# Altium PCB laser_board.PcbDoc (part 1 of 2) (continued)
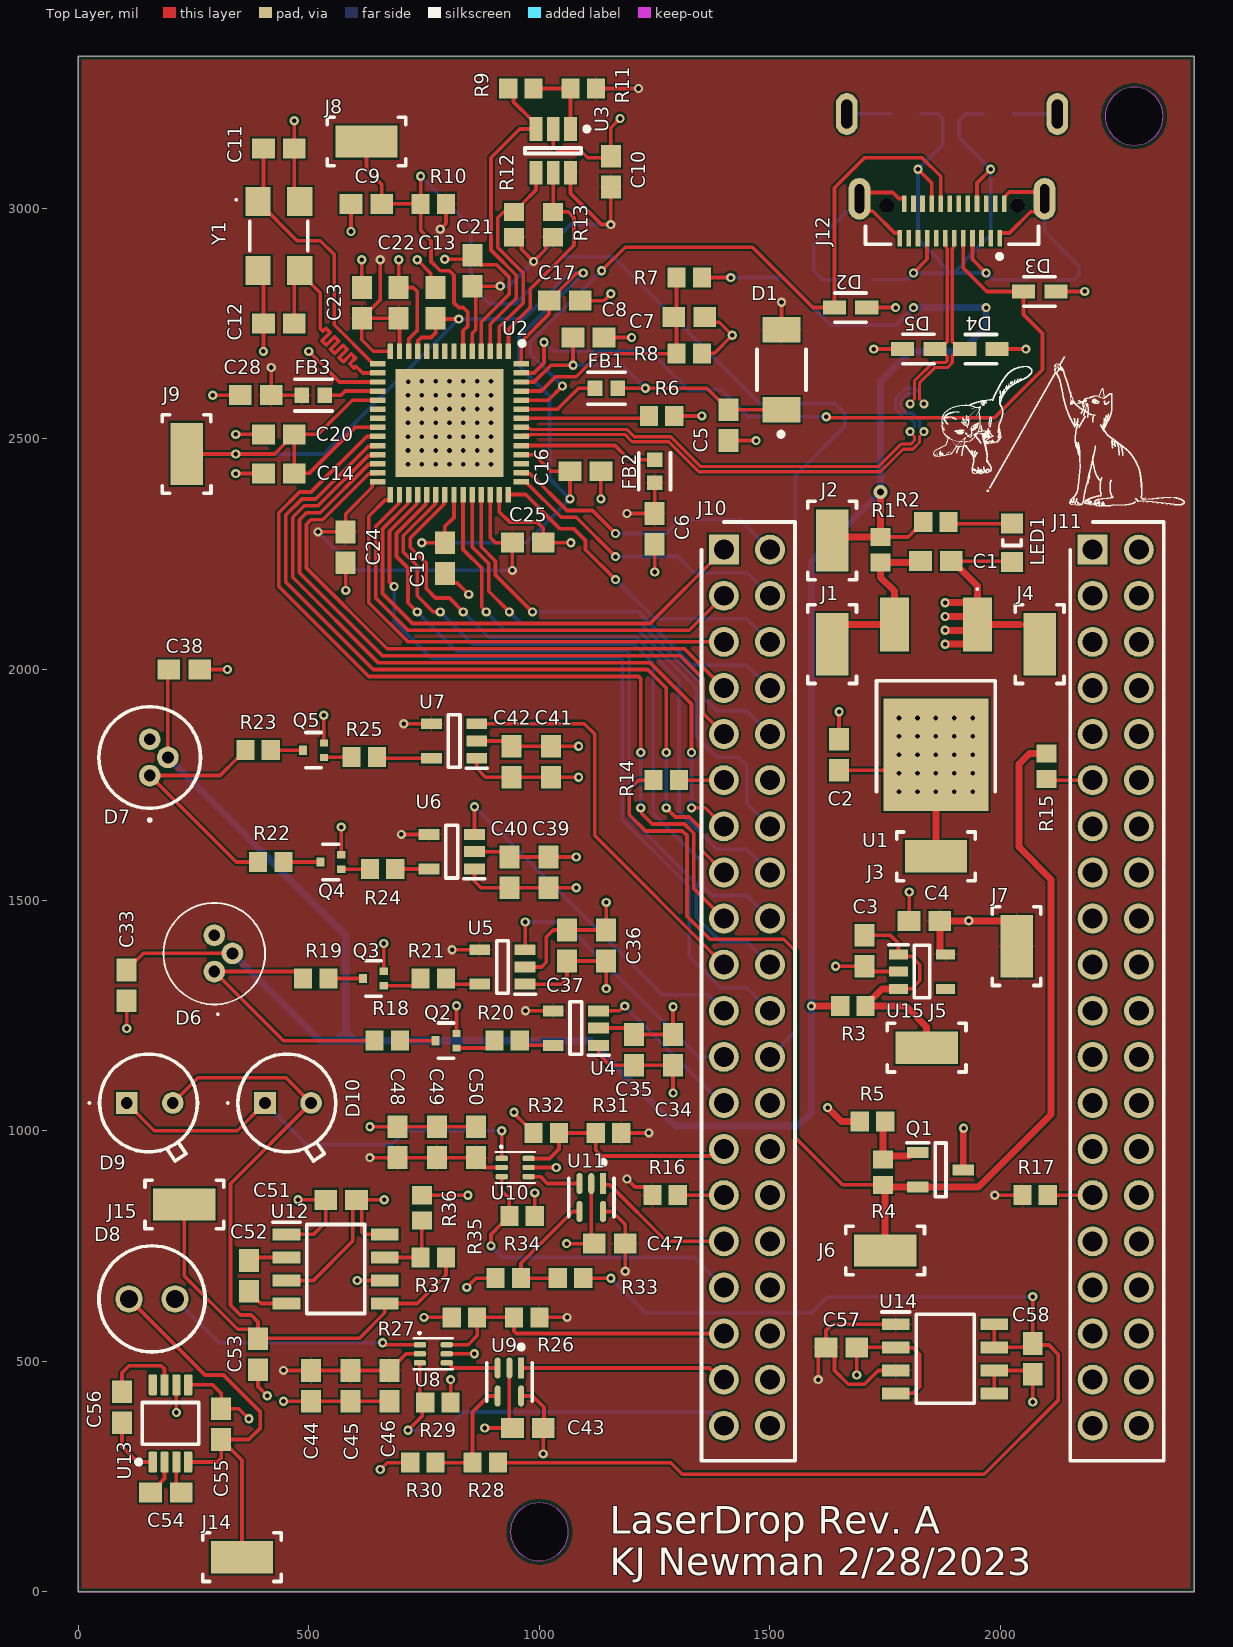
[diagram p0: Top Layer view]
## Footprints (in the part's own frame and the unit in brackets; to place one, negate y for a bottom-side part, rotate by r counter-clockwise, add the part's x,y. Pads: shape width x height; smd on the part's side, far side on the other; paste and mask are expansions set on the pad)
0805_A [mm] "Chip LED, 2-Leads, Body 2.0x1.3mm, IPC Medium Density"
  rect 1.1x1.2 smd: 1(-1.05,0) 2(1.05,0)
  silkscreen extent -0.15,-0.5 0.15,0.5, body extent -1,-0.62 1,0.63, height 0.68
830059522 [mm]
  rect 1.6x1.4 smd: 1(-1.9,-1.15) 2(1.9,-1.15) 3(1.9,1.15) 4(-1.9,1.15)
  silkscreen extent -2.05,-2.4 0.8,1.6, body extent -2.56,-1.71 2.56,1.71, height 1.1
CAPC1608X90X35ML15T15 [mm] "Chip Capacitor, 2-Leads, Body 1.60x0.81mm, IPC Low Density"
  rect 1.25x1.1 smd: 1(-0.85,0) 2(0.85,0)
  body extent -0.88,-0.48 0.87,0.48, height 0.9
DGK0008A_L [mm] "TSOP, 8-Leads, Body 3.1x3.1mm, Pitch 0.65mm, IPC High Density"
  rrect22% 1.15x0.45 smd: 1(-2.125,0.975) 2(-2.125,0.325) 3(-2.125,-0.325) 4(-2.125,-0.975) 5(2.125,-0.975) 6(2.125,-0.325) 7(2.125,0.325) 8(2.125,0.975)
  silkscreen extent -2.25,-1.55 1.15,1.87, body extent -2.45,-1.5 2.45,1.5, height 0.94
FP-5015-MFG [mm]
  rect 3.43x1.78 smd paste+0 mask+0: 1(0,0)
  silkscreen extent -2.16,-1.34 2.17,1.34
FP-2388749-1-MFG [mm]
  rrect100% 1.2x2.3 hole 1.6 slot 0.5 at 0 deg paste-1000 mask+0: 1(-5.1,2.645) 2(5.1,2.645)
  rrect100% 1.2x2.3 hole 1.6 slot 0.6 at 0 deg paste-1000 mask+0: 3(-5.8,-2.025) 4(5.8,-2.025)
  rect 0.254x0.9 smd paste+0 mask+0: A1(-2.625,4.825) A2(-2.125,4.825) A3(-1.625,4.825) A4(-1.125,4.825) A5(-0.625,4.825) A6(-0.125,4.825) A7(0.375,4.825) A8(0.875,4.825) A9(1.375,4.825) A10(1.875,4.825) A11(2.375,4.825) A12(2.875,4.825) B1(2.625,2.925) B2(2.125,2.925) B3(1.625,2.925) B4(1.125,2.925) B5(0.625,2.925) B6(0.125,2.925) B7(-0.375,2.925) B8(-0.875,2.925) B9(-1.375,2.925) B10(-1.875,2.925) B11(-2.375,2.925) B12(-2.875,2.925)
  round 0.81 hole 0.81 unplated paste-1000 mask+0: ""(-3.6,3.025)
  rrect100% 0.81x0.75 hole 0.75 slot 0.81 at 0 deg unplated paste-1000 mask+0: ""(3.6,3.025)
  silkscreen extent -4.76,4.17 4.76,5.94, body extent -6.5,-5.25 6.5,5.38, height 0.25
FP-DCK0005A-IPC_C [mm]
  rect 1.164x0.336 smd paste+0 mask+0: 1(-0.77,0.65)
  rrect100% 1.164x0.336 smd paste+0 mask+0: 2(-0.77,0) 3(-0.77,-0.65) 4(0.77,-0.65) 5(0.77,0.65)
  silkscreen extent -2.05,-1.25 1.05,1.25
FP-MPZ1608-0_8-IPC_C [mil]
  rect 31.73x33.79 smd paste+0 mask+0: 1(-24.65,0) 2(24.65,0)
  silkscreen extent -41,-34 41,34, body extent -44,-23 44,23, height 10
FP-PGB1-0603-MFG [mm]
  rect 1.27x0.76 smd paste+0 mask+0: 1(-0.89,0) 2(0.89,0)
  silkscreen extent -0.86,-0.81 0.86,0.8, body extent -1.63,-0.55 1.63,0.55, height 0.25
FP-SOD128-MFG [mm]
  rect 1.4x2.1 smd paste-1000 mask+0: 1(-2.2,0) 2(2.2,0)
  silkscreen extent -3.67,-1.35 1.12,1.35, body extent -3.1,-1.7 3.1,1.7, height 0.25
FP-SOT-723-MFG [mm]
  rect 0.45x0.4 smd paste+0 mask+0: 1(-0.575,0.4) 2(-0.575,-0.4)
  rect 0.45x0.5 smd paste+0 mask+0: 3(0.575,0)
  silkscreen extent -0.43,-0.97 0.43,0.97, body extent -0.9,-0.72 0.9,0.72, height 0.25
INDC2013X105X50ML20T30 [mm] "Chip Inductor, 2-Leads, Body 2.2x1.45mm, IPC Low Density"
  rect 1.39x1.59 smd: 1(-0.955,0) 2(0.955,0)
  body extent -1.1,-0.72 1.1,0.72, height 1.05
MTD5052W [mm]
  rect 1.192x1.192 hole 0.65: 1(0,0)
  round 1.192 hole 0.65: 2(2.54,0)
  silkscreen extent -2.1,-3.2 3.9,2.69
NCP1117IDT50T4G [mm]
  rect 3x1.6 smd: 1(4.6,-2.285) 3(4.6,2.285)
  rect 6.2x5.8 smd: 2(-2.58,0)
  silkscreen extent -4.6,-3.27 6.6,3.27
PLT5510 [mm]
  round 1.192 hole 0.65: 1(0,0) 2(1,-1) 3(2,0)
  silkscreen extent -2.4,-2.8 3.78,2.8, body extent -1.8,-2.8 3.8,2.8, height 4.2
QFN50P800X800X90-57N-D [mm]
  rect 0.85x0.3 smd: 1(-3.95,3.25) 2(-3.95,2.75) 3(-3.95,2.25) 4(-3.95,1.75) 5(-3.95,1.25) 6(-3.95,0.75) 7(-3.95,0.25) 8(-3.95,-0.25) 9(-3.95,-0.75) 10(-3.95,-1.25) 11(-3.95,-1.75) 12(-3.95,-2.25) 13(-3.95,-2.75) 14(-3.95,-3.25) 29(3.95,-3.25) 30(3.95,-2.75) 31(3.95,-2.25) 32(3.95,-1.75) 33(3.95,-1.25) 34(3.95,-0.75) 35(3.95,-0.25) 36(3.95,0.25) 37(3.95,0.75) 38(3.95,1.25) 39(3.95,1.75) 40(3.95,2.25) 41(3.95,2.75) 42(3.95,3.25)
  rect 0.3x0.85 smd: 15(-3.25,-3.95) 16(-2.75,-3.95) 17(-2.25,-3.95) 18(-1.75,-3.95) 19(-1.25,-3.95) 20(-0.75,-3.95) 21(-0.25,-3.95) 22(0.25,-3.95) 23(0.75,-3.95) 24(1.25,-3.95) 25(1.75,-3.95) 26(2.25,-3.95) 27(2.75,-3.95) 28(3.25,-3.95) 43(3.25,3.95) 44(2.75,3.95) 45(2.25,3.95) 46(1.75,3.95) 47(1.25,3.95) 48(0.75,3.95) 49(0.25,3.95) 50(-0.25,3.95) 51(-0.75,3.95) 52(-1.25,3.95) 53(-1.75,3.95) 54(-2.25,3.95) 55(-2.75,3.95) 56(-3.25,3.95)
  rect 5.95x5.95 smd: 57(0,0)
  silkscreen extent -4.5,3.88 -4.25,4.13, body extent -4.05,-4.05 4.05,4.05, height 0.9
RESC1608X55X30ML20T20 [mm] "Chip Resistor, 2-Leads, Body 1.60x0.80mm, IPC Low Density"
  rect 1x1.1 smd: 1(-0.7,0) 2(0.7,0)
  body extent -0.9,-0.5 0.9,0.5, height 0.55
RHDR40W64P254_2X20_5130X500X1375P#1 [mm]
  rect 1.65x1.65 hole 1.1: 1(0,0)
  round 1.65 hole 1.1: 2(0,2.54) 3(2.54,0) 4(2.54,2.54) 5(5.08,0) 6(5.08,2.54) 7(7.62,0) 8(7.62,2.54) 9(10.16,0) 10(10.16,2.54) 11(12.7,0) 12(12.7,2.54) 13(15.24,0) 14(15.24,2.54) 15(17.78,0) 16(17.78,2.54) 17(20.32,0) 18(20.32,2.54) 19(22.86,0) 20(22.86,2.54) 21(25.4,0) 22(25.4,2.54) 23(27.94,0) 24(27.94,2.54) 25(30.48,0) 26(30.48,2.54) 27(33.02,0) 28(33.02,2.54) 29(35.56,0) 30(35.56,2.54) 31(38.1,0) 32(38.1,2.54) 33(40.64,0) 34(40.64,2.54) 35(43.18,0) 36(43.18,2.54) 37(45.72,0) 38(45.72,2.54) 39(48.26,0) 40(48.26,2.54)
  silkscreen extent -1.52,-1.23 50.18,3.92, body extent -1.52,-1.23 49.78,3.77, height 13.75
RHDR40W64P254_2X20_5130X500X1375P#2 [mm]
  rect 1.65x1.65 hole 1.1: 1(0,0)
  round 1.65 hole 1.1: 2(0,2.54) "3 "(2.54,0) 4(2.54,2.54) 5(5.08,0) 6(5.08,2.54) 7(7.62,0) 8(7.62,2.54) 9(10.16,0) 10(10.16,2.54) 11(12.7,0) 12(12.7,2.54) 13(15.24,0) 14(15.24,2.54) 15(17.78,0) 16(17.78,2.54) 17(20.32,0) 18(20.32,2.54) 19(22.86,0) 20(22.86,2.54) 21(25.4,0) 22(25.4,2.54) 23(27.94,0) 24(27.94,2.54) 25(30.48,0) 26(30.48,2.54) 27(33.02,0) 28(33.02,2.54) 29(35.56,0) 30(35.56,2.54) 31(38.1,0) 32(38.1,2.54) 33(40.64,0) 34(40.64,2.54) 35(43.18,0) 36(43.18,2.54) 37(45.72,0) 38(45.72,2.54) 39(48.26,0) 40(48.26,2.54)
  silkscreen extent -1.52,-1.23 50.18,3.92, body extent -1.52,-1.23 49.78,3.77, height 13.75
RLD85PZJ400A [mm]
  round 1.192 hole 0.65: 1(0,0) 2(0,-2) 3(-1,-1)
  silkscreen extent -2.8,-3.8 2.8,2.5, body extent -2.77,-3.78 2.78,1.78, height 3.5
SFH203FA [mm]
  round 1.5 hole 1: 1(0,0) 2(2.54,0)
  silkscreen extent -1.65,-2.93 4.19,2.93, body extent -1.66,-2.93 4.2,2.93, height 9
SOIC127P600X175-8N [mm]
  rect 1.525x0.65 smd: 1(-2.712,1.905) 2(-2.712,0.635) 3(-2.712,-0.635) 4(-2.712,-1.905) 5(2.712,-1.905) 6(2.712,-0.635) 7(2.712,0.635) 8(2.712,1.905)
  silkscreen extent -3.47,-2.45 1.6,2.58, body extent -3,-2.45 3,2.45, height 1.75
SOT95P280X100-5N [mm]
  rect 1.05x0.55 smd: 1(-1.3,0.95) 2(-1.3,0) 3(-1.3,-0.95) 4(1.3,-0.95) 5(1.3,0.95)
  silkscreen extent -1.83,-1.45 0.43,1.48, body extent -1.4,-1.45 1.4,1.45, height 1
SOT95P280X125-3N [mm]
  rect 1.2x0.6 smd: 1(-1.25,0.95) 2(-1.25,-0.95) 3(1.25,0)
  silkscreen extent -1.85,-1.48 0.3,1.5, body extent -1.4,-1.48 1.4,1.48, height 1.25
SOT95P280X145-5N [mm]
  rect 1.15x0.6 smd: 1(-1.25,0.95) 2(-1.25,0) 3(-1.25,-0.95) 4(1.25,-0.95) 5(1.25,0.95)
  silkscreen extent -1.83,-1.45 0.33,1.5, body extent -1.4,-1.45 1.4,1.45, height 1.45
SOT-5X3 [mm]
  rrect50% 0.67x0.3 smd mask+0.05: 1(-0.74,0.5) 2(-0.74,0) 3(-0.74,-0.5) 4(0.74,-0.5) 5(0.74,0) 6(0.74,0.5)
  silkscreen extent -1.07,-0.85 1.07,1.21
SOT-23-OT6_M [mm] "SOT23, 6-Leads, Body 2.9x1.7mm, Pitch 0.95mm, Lead Span 2.8mm, IPC Low Density"
  rect 1.3x0.7 smd: 1(-1.2,0.95) 2(-1.2,0) 3(-1.2,-0.95) 4(1.2,-0.95) 5(1.2,0) 6(1.2,0.95)
  silkscreen extent -1.32,-1.55 0.15,1.98, body extent -0.9,-1.55 0.9,1.55, height 1.45

## Part data
C1 C2 C3 C4 C5 C6 C7 C8 C9 C10 C11 C12 C13 C14 C15 C16 C17 C20 C21 C22 C23 C24 C25 C28 C29 C30 C31 C32 C33 C34 C35 C36 C37 C38 C39 C40 C41 C42 C43 C44 C45 C46 C47 C48 C49 C50 C51 C52 C53 C54 C55 C56 C57 C58: library part CMP-2006-04454-1, "Ceramic", Case Code (Imperial)=0603, Case Code (Metric)=1608, Case/Package=0603, ComponentLink1Description=https://datasheet.ciiva.com/204/cx7r-204187.pdf?src-supplier=Digi-Key, ComponentLink1URL=https://datasheet.ciiva.com/204/cx7r-204187.pdf?src-supplier=Digi-Key, ComponentLink2Description=https://datasheet.ciiva.com/11577/cx7r-11577914.pdf?src-supplier=Avnet, ComponentLink2URL=https://datasheet.ciiva.com/11577/cx7r-11577914.pdf?src-supplier=Avnet, ComponentLink3Description=https://datasheet.ciiva.com/5413/cx7r-218113-5413050.pdf?src-supplier=Mouser, ComponentLink3URL=https://datasheet.ciiva.com/5413/cx7r-218113-5413050.pdf?src-supplier=Mouser, ComponentLink4Description=https://datasheet.ciiva.com/15212/getdatasheetpartid-95342-15212331.pdf?src-supplier=Verical, ComponentLink4URL=https://datasheet.ciiva.com/15212/getdatasheetpartid-95342-15212331.pdf?src-supplier=Verical, Mount="Surface Mount", Number of Pins=2
D1: library part CMP-14398-000032-1, "DIODE SCHOTTKY 30V 5A SOD128", RoHS Compliant=Yes
D2 D3 D4 D5: library part CMP-08607-000039-1, "TVS DIODE 24V 150V 0603", Breakdown Voltage=500V, Capacitance=0.06pF, Case Code (Imperial)=0603, Case Code (Metric)=1608, Clamping Voltage=150V, Leakage Current=1nA, Manufacturer="Littelfuse Inc", Manufacturer 1=Littelfuse, Max Operating Temperature=125°C, Min Operating Temperature=-65°C, Operating Supply Voltage=24V, Package=PGB1-0603, Package Quantity=1, Power Line Protection=No, Resistor Type=Zener, Temperature="-65°C to +125°C", Temperature Range High=+125°C, Automotive=No, Case/Package=0603, Category=Diode, ComponentLink1Description=https://datasheet.ciiva.com/16302/littelfuse-pulseguard-pgb1-datasheet-259083-16302362.pdf?src-supplier=Mouser, ComponentLink1URL=https://datasheet.ciiva.com/16302/littelfuse-pulseguard-pgb1-datasheet-259083-16302362.pdf?src-supplier=Mouser, ComponentLink2Description=Datasheet, ComponentLink2URL=https://www.littelfuse.com/~/media/electronics/datasheets/pulseguard_esd_suppressors/littelfuse_pulseguard_pgb1_datasheet.pdf.pdf, ComponentLink3Description=https://datasheet.ciiva.com/15063/littelfuse-pulseguard-esd-pgb1-15063995.pdf?src-supplier=Digi-Key, ComponentLink3URL=https://datasheet.ciiva.com/15063/littelfuse-pulseguard-esd-pgb1-15063995.pdf?src-supplier=Digi-Key, ComponentLink4Description=https://datasheet.ciiva.com/15063/littelfuse-pulseguard-esd-pgb1-15063996.pdf?src-supplier=Digi-Key, ComponentLink4URL=https://datasheet.ciiva.com/15063/littelfuse-pulseguard-esd-pgb1-15063996.pdf?src-supplier=Digi-Key, ComponentLink5Description=https://datasheet.ciiva.com/15063/littelfuse-pulseguard-esd-pgb1-15063997.pdf?src-supplier=Digi-Key, ComponentLink5URL=https://datasheet.ciiva.com/15063/littelfuse-pulseguard-esd-pgb1-15063997.pdf?src-supplier=Digi-Key, ComponentLink6Description=https://datasheet.ciiva.com/46428/1486684-46428671.pdf?src-supplier=Element14, ComponentLink6URL=https://datasheet.ciiva.com/46428/1486684-46428671.pdf?src-supplier=Element14, ComponentLink7Description=https://datasheet.ciiva.com/46428/1486684-46428670.pdf?src-supplier=Element14, ComponentLink7URL=https://datasheet.ciiva.com/46428/1486684-46428670.pdf?src-supplier=Element14, Depth=0.84mm, Device Class L1="Circuit Protection", Device Class L2="TVS Diodes", Device Class L3=unset, Digikey Description="TVS DIODE 24V 150V 0603", Diode Type=ZENER, Direction=Bidirectional, Element Configuration=Single, Height=0.36mm, Lead Free=Yes, Length=1.66mm, Manufacturer Part Number=PGB1010603NRHF, Manufacturer Part Number 1=PGB1010603NRHF, Mount="Surface Mount", Mouser Description="ESD Suppressors / TVS Diodes Pulseguard 0603 Halogen Free", Number of Bidirectional Channels=1, Number Of Channels=1, Number of Pins=2, Octopart=https://octopart.com/pgb1010603nrhf-littelfuse-22645148, Packaging="Tape and Reel", Polarity=Bidirectional, Pricing 1="5000=0.22500, 10000=0.22000, 15000=0.21500, 20000=0.21500 (USD)", Radiation Hardening=No, Reverse Standoff Voltage=24V, RoHS=TRUE, RoHS Compliant=Yes, Series="PulseGuard® PGB", Stock 1=20000, Supplier 1="Future Electronics", Temperature Range Low=-65°C, Termination=SMD/SMT, Working Voltage=24V
D6: "Diode", Arrow Part Number="PLT5 510", Manufacturer_Name=OSRAM, Mouser Part Number=720-PLT5510, Arrow Price/Stock=https://www.arrow.com/en/products/plt5510/osram-opto-semiconductors, Datasheet Link=https://dammedia.osram.info/media/resource/hires/osram-dam-9482017/PLT5%20510_EN.pdf, Height=4.1mm, Manufacturer_Part_Number="PLT5 510", Mouser Price/Stock=https://www.mouser.co.uk/ProductDetail/OSRAM-Opto-Semiconductors/PLT5-510?qs=xC%252BE9h5iuX77rqAO724GQA%3D%3D
D7: "Diode", Manufacturer_Name="ROHM Semiconductor", Mouser Part Number=755-RLD78NZM5-00A, Datasheet Link=https://fscdn.rohm.com/en/products/databook/datasheet/opto/laser_diode/infrared/rld78nzm700a008-e.pdf, Height=4.6mm, Manufacturer_Part_Number=RLD78NZM5-00A, Mouser Price/Stock=https://www.mouser.co.uk/ProductDetail/ROHM-Semiconductor/RLD78NZM5-00A?qs=vmHwEFxEFR%2Fgl3qCw0l6aQ%3D%3D
D8: "LED", Manufacturer_Name=OSRAM, Manufacturer_Part_Number="SFH 203 FA", Mouser Part Number=720-SFH203FA, Datasheet Link=https://datasheet.datasheetarchive.com/originals/distributors/DKDS41/DSANUWW0036828.pdf, Height=8.9mm, Mouser Price/Stock=https://www.mouser.co.uk/ProductDetail/OSRAM-Opto-Semiconductors/SFH-203-FA?qs=K5ta8V%252BWhtaq1pinUuBcnA%3D%3D
D9 D10: "Diode", Manufacturer_Name="Marktech Optoelectronics", Datasheet Link=https://www.marktechopto.com/pdf/products/datasheet/MTD5052W_2011_07_20.pdf, Height=3.8mm, Manufacturer_Part_Number=MTD5052W
FB1 FB2 FB3: library part CMP-08257-000122-1, "Power line Ferrite Bead 1000Ω @ 100MHz 0.8A DCR 0.3Ω SMD 0603", Case Code (Imperial)=0603, Case Code (Metric)=1608, Current Rating=800mA, DC Resistance (DCR)=300mR, Manufacturer 1=TDK, Package Quantity=4000, Tolerance=25%, Case/Package=0603, Category="Ferrite Beads and Chips", ComponentLink1Description=https://datasheet.ciiva.com/46634/beads-commercial-power-mpz-en-46634470.pdf?src-supplier=Digi-Key, ComponentLink1URL=https://datasheet.ciiva.com/46634/beads-commercial-power-mpz-en-46634470.pdf?src-supplier=Digi-Key, ComponentLink2Description=https://datasheet.ciiva.com/48682/beads-commercial-power-mpz-en-48682493.pdf?src-supplier=Avnet, ComponentLink2URL=https://datasheet.ciiva.com/48682/beads-commercial-power-mpz-en-48682493.pdf?src-supplier=Avnet, Core Material=Ferrite, Height=0.037inch, Impedance=1kR, Length=0.063inch, Manufacturer Part Number 1=MPZ1608S102ATA00, Max DC Current=800mA, Mount="Surface Mount", Packaging="Tape and Reel", Pricing 1="1=0.22590, 10=0.18260, 25=0.17480, 100=0.10900, 250=0.09350, 500=0.07970, 1000=0.05840, 3000=0.04920, 6000=0.04400 (USD)", RoHS=Yes, RoHS Compliant=Yes, Stock 1=12299, Supplier 1="Arrow Electronics", Width=0.031inch
J1 J2 J3 J4 J5 J6 J7 J8 J9 J14 J15: library part CMP-2000-05183-2, "PC TEST POINT MINIATURE", Color=White, Manufacturer=keystone, Manufacturer 1="Keystone Electronics", Package Quantity=1, Supplier Part Number 1=21J7580, Automotive=No, Body Material=Bronze, Category=Conn, ComponentLink1Description=https://datasheet.ciiva.com/1123/5015-1123862.pdf?src-supplier=Newark, ComponentLink1URL=https://datasheet.ciiva.com/1123/5015-1123862.pdf?src-supplier=Newark, ComponentLink2Description=Datasheet, ComponentLink2URL=http://www.keyelco.com/product-pdf.cfm?p=1353, ComponentLink3Description=https://datasheet.ciiva.com/2917/5015-2917616.pdf?src-supplier=Digi-Key, ComponentLink3URL=https://datasheet.ciiva.com/2917/5015-2917616.pdf?src-supplier=Digi-Key, ComponentLink4Description=https://datasheet.ciiva.com/2917/5015-2917617.pdf?src-supplier=Digi-Key, ComponentLink4URL=https://datasheet.ciiva.com/2917/5015-2917617.pdf?src-supplier=Digi-Key, ComponentLink5Description=https://datasheet.ciiva.com/16883/70182998-16883734.pdf?src-supplier=Allied+Electronics, ComponentLink5URL=https://datasheet.ciiva.com/16883/70182998-16883734.pdf?src-supplier=Allied+Electronics, Conn Orientation=Straight, Contact Material=Silver, Contact Plating=Silver, Depth=1.01mm, Device Class L1=Connectors, Device Class L2=unset, Device Class L3=unset, Digikey Description="PC TEST POINT MINIATURE", Height=1.65mm, Lead Free=Yes, Length=0.105inch, Manufacturer Part Number=5015, Manufacturer Part Number 1=5015, Material=Bronze,Silver, Mount="Surface Mount", Number Of Contacts=1, Number of Ports=1, Octopart=https://octopart.com/5015-keystone-3822, Orientation=Straight, Package=5015, Packaging="Tape and Reel", Plating=Silver, Pricing 1="1=0.20500, 1000=0.19600, 2000=0.18700, 4000=0.18400, 6000=0.17900 (USD)", Reach SVHC Compliant=Yes, RoHS=TRUE, RoHS Compliant=Yes, Series=-, Stock 1=265000, Supplier 1=Newark, Termination=SMD/SMT, Thickness=0.01inch
J10 J11: "Connector", Manufacturer_Name=SparkFun, Mouser Part Number=474-PRT-16764, Datasheet Link=https://cdn.sparkfun.com/assets/0/8/d/b/2/DS-16764-2_X_20_Pin_Extended_GPIO_Header_-_Female_-_13.5mm_9.80mm.pdf, Height=13.75mm, Manufacturer_Part_Number=PRT-16764, Mouser Price/Stock=https://www.mouser.co.uk/ProductDetail/SparkFun/PRT-16764?qs=W%2FMpXkg%252BdQ4FKwyaXnhaEw%3D%3D
J12: library part CMP-03360-000010-1, "USB4 TOP MOUNT DUAL SMT REC"
L1: library part CMP-1660-00003-2, "None", Case Code (Imperial)=0805, Case Code (Metric)=2012, DC Resistance (DCR)=4mR, Frequency=100MHz, Manufacturer 1="Taiyo Yuden", Max Current Rating=6A, Max Operating Temperature=125°C, Min Operating Temperature=-40°C, Package Quantity=1, Resistor Type="Ferrite Bead", Tolerance=30%, Case/Package=0805, Category="Ferrite Beads and Chips", ComponentLink1Description=https://datasheet.ciiva.com/25614/0900766b810b37be-25614411.pdf?src-supplier=Rs, ComponentLink1URL=https://datasheet.ciiva.com/25614/0900766b810b37be-25614411.pdf?src-supplier=Rs, ComponentLink2Description=https://datasheet.ciiva.com/6212/fbmj2125hm210nt-ss-6212912.pdf?src-supplier=Digi-Key, ComponentLink2URL=https://datasheet.ciiva.com/6212/fbmj2125hm210nt-ss-6212912.pdf?src-supplier=Digi-Key, ComponentLink3Description=https://datasheet.ciiva.com/6212/chipbeads01-e-6212907.pdf?src-supplier=Digi-Key, ComponentLink3URL=https://datasheet.ciiva.com/6212/chipbeads01-e-6212907.pdf?src-supplier=Digi-Key, ComponentLink4Description=https://datasheet.ciiva.com/6212/chipbeads01-e-6212908.pdf?src-supplier=Digi-Key, ComponentLink4URL=https://datasheet.ciiva.com/6212/chipbeads01-e-6212908.pdf?src-supplier=Digi-Key, Core Material=Ferrite, Depth=1.45mm, Halogen Free="Halogen Free", Height=0.85mm, Impedance=21R, Lead Free="Lead Free", Length=2mm, Manufacturer Part Number 1=FBMJ2125HM210NT, Material=Ferrite, Max DC Current=6A, Mount="Surface Mount", Number of Lines=1, Number of Pins=2, Packaging="Tape and Reel", Pricing 1="1=0.11000, 10=0.09100, 25=0.07080, 50=0.05860, 100=0.05050, 250=0.04040, 500=0.03636, 1000=0.03030 (USD)", RoHS=Yes, RoHS Compliant=Yes, Series=FB, Shielding=Unshielded, Stock 1=132284, Supplier 1=Digi-Key, Termination=SMD/SMT, Test Frequency=100MHz, Width=0.049inch
LED1: library part CMP-1426-00011-1, "SMD mono-color Chip LED, WL-SMCW, Red", Color=Red, Manufacturer="Wuerth Elektronik", ComponentLink1Description="Manufacturer URL", ComponentLink1URL=http://www.we-online.com, ComponentLink2Description=Datasheet, ComponentLink2URL=http://katalog.we-online.com/led/datasheet/150080RS75000.pdf, PackageReference=0805_A, PartNumber=150080RS75000
Q1: "MOSFET (P-Channel)", Manufacturer_Name="Alpha & Omega Semiconductors", Arrow Part Number=AO3415A, Arrow Price/Stock=https://www.arrow.com/en/products/ao3415a/alpha-and-omega-semiconductor?region=nac, Datasheet Link=http://www.aosmd.com/pdfs/datasheet/AO3415A.pdf, Height=1.25mm, Manufacturer_Part_Number=AO3415A
Q2 Q3 Q4 Q5: library part CMP-35916-000014-2, "MOSFET N-CH 20V 250MA VESM", Manufacturer 1=Toshiba, Category=MOSFETs, ComponentLink1Description=https://toshiba.semicon-storage.com/info/docget.jsp?did=55390&prodName=SSM3K35AMFV&src-supplier=Digi-Key, ComponentLink1URL=https://toshiba.semicon-storage.com/info/docget.jsp?did=55390&prodName=SSM3K35AMFV&src-supplier=Digi-Key, Manufacturer Part Number 1=SSM3K35AMFV,L3F, Pricing 1="1=0.26140, 10=0.19800, 25=0.18750, 100=0.11390, 250=0.09530, 500=0.07970, 1000=0.05910, 3000=0.04930, 6000=0.04630, 15000=0.04500, 30000=0.04450 (USD)", RoHS=No, Stock 1=47209, Supplier 1="Arrow Electronics"
R1 R2 R3 R4 R5 R6 R7 R8 R9 R10 R11 R12 R13 R14 R15 R16 R17 R18 R19 R20 R21 R22 R23 R24 R25 R26 R27 R28 R29 R30 R31 R32 R33 R34 R35 R36 R37: library part CMP-2000-00883-1, "1%", Case Code (Imperial)=0603, Case Code (Metric)=1608, Case/Package=0603, ComponentLink1Description=https://datasheet.ciiva.com/11810/0900766b80eb1d8c-11810467.pdf?src-supplier=Rs, ComponentLink1URL=https://datasheet.ciiva.com/11810/0900766b80eb1d8c-11810467.pdf?src-supplier=Rs, ComponentLink2Description=https://datasheet.ciiva.com/24032/aoa0000ce26-32660-24032616.pdf?src-supplier=Mouser, ComponentLink2URL=https://datasheet.ciiva.com/24032/aoa0000ce26-32660-24032616.pdf?src-supplier=Mouser, ComponentLink3Description=https://datasheet.ciiva.com/5973/485442-5973823.pdf?src-supplier=Farnell, ComponentLink3URL=https://datasheet.ciiva.com/5973/485442-5973823.pdf?src-supplier=Farnell, ComponentLink4Description=https://datasheet.ciiva.com/9198/aoa0000ce26-9198619.pdf?src-supplier=Avnet, ComponentLink4URL=https://datasheet.ciiva.com/9198/aoa0000ce26-9198619.pdf?src-supplier=Avnet, ComponentLink5Description=https://datasheet.ciiva.com/7911/485442-7911511.pdf?src-supplier=Element14, ComponentLink5URL=https://datasheet.ciiva.com/7911/485442-7911511.pdf?src-supplier=Element14, ComponentLink6Description=https://datasheet.ciiva.com/7911/485442-7911512.pdf?src-supplier=Element14, ComponentLink6URL=https://datasheet.ciiva.com/7911/485442-7911512.pdf?src-supplier=Element14, Mount="Surface Mount", Number of Pins=2
U1: "Integrated Circuit", Manufacturer_Name=onsemi, Mouser Part Number=863-NCP1117IDT50T4G, Arrow Part Number=NCP1117IDT50T4G, Arrow Price/Stock=https://www.arrow.com/en/products/ncp1117idt50t4g/on-semiconductor?region=nac, Datasheet Link=https://www.onsemi.com/pdf/datasheet/ncp1117-d.pdf, Height=2.51mm, Manufacturer_Part_Number=NCP1117IDT50T4G, Mouser Price/Stock=https://www.mouser.co.uk/ProductDetail/onsemi/NCP1117IDT50T4G?qs=iLbezkQI%252BsglshaRosgSzQ%3D%3D
U2: "Integrated Circuit", Manufacturer_Name="FTDI Chip", Mouser Part Number=895-FT232HPQ-TRAY, Datasheet Link=https://www.ftdichip.com/Support/Documents/DataSheets/ICs/DS_FT233HP.pdf, Height=0.9mm, Manufacturer_Part_Number=FT232HPQ-TRAY, Mouser Price/Stock=https://www.mouser.co.uk/ProductDetail/FTDI/FT232HPQ-TRAY?qs=DRkmTr78QAQOR9QDUJT%2FRg%3D%3D
U3: library part CMP-0162-00362-1, "4K, 256x16-bit, 2.5V Microwire Serial EEPROM, 6-Pin SOT-23, Industrial Temperature, Tape and Reel", Case/Package=SOT-23, Frequency=2MHz, Manufacturer 1=Microchip, Max Operating Temperature=85°C, Max Supply Voltage=5.5V, Min Operating Temperature=-40°C, Min Supply Voltage=2.5V, Nominal Supply Current=2mA, Package Quantity=3000, Access Time=200ns, Access Time-Max=250ns, Category=EEPROM, Code_IPC=SOT26A-6, ComponentLink1Description=https://datasheet.ciiva.com/1156/1688094-1156014.pdf?src-supplier=Element14, ComponentLink1URL=https://datasheet.ciiva.com/1156/1688094-1156014.pdf?src-supplier=Element14, ComponentLink2Description=https://datasheet.ciiva.com/22715/1561728-22715195.pdf?src-supplier=Element14, ComponentLink2URL=https://datasheet.ciiva.com/22715/1561728-22715195.pdf?src-supplier=Element14, ComponentLink3Description=https://datasheet.ciiva.com/14134/93lc66-abc-eng-tds-14134775.pdf?src-supplier=Distrelec, ComponentLink3URL=https://datasheet.ciiva.com/14134/93lc66-abc-eng-tds-14134775.pdf?src-supplier=Distrelec, ComponentLink4Description=https://datasheet.ciiva.com/16921/70046013-16921979.pdf?src-supplier=Allied+Electronics, ComponentLink4URL=https://datasheet.ciiva.com/16921/70046013-16921979.pdf?src-supplier=Allied+Electronics, ComponentLink5Description=https://datasheet.ciiva.com/9280/jp011819-9280830.pdf?src-supplier=Avnet, ComponentLink5URL=https://datasheet.ciiva.com/9280/jp011819-9280830.pdf?src-supplier=Avnet, ComponentLink6Description=https://datasheet.ciiva.com/16425/filehandler-aspxddocname-en011819-16425245.pdf?src-supplier=Future+Electronics, ComponentLink6URL=https://datasheet.ciiva.com/16425/filehandler-aspxddocname-en011819-16425245.pdf?src-supplier=Future+Electronics, DatasheetVersion="revD, May-2008", Density=4Kb, Height=1.3mm, Interface=MICROWIRE,Serial,3-WIRE, Lead Free="Lead Free", Length=3.1mm, Manufacturer Part Number 1=93LC66BT-I/OT, Max Frequency=2MHz, Memory Size=4Kb, Memory Type=EEPROM, Mount="Surface Mount", Number of Pins=6, Organization=256X16, PackageDescription="6-Lead Plastic Small Outline Transistor (OT) [SOT-23]", PackageReference=SOT-23-OT6, PackageVersion="revBB, Aug-2009", Packaging="Tape and Reel", Pricing 1="1=0.33000 (USD)", Radiation Hardening=No, Reach SVHC Compliant=Yes, RoHS=Yes, RoHS Compliant=Yes, Stock 1=2870, Supplier 1=Newark, Supply Current=2mA, Supply Voltage-Nom=5.5V, Termination=SMD/SMT, Width=1.8mm, Write Cycle Time-Max (tWC)=6ms, Write Protection=YES
U4 U5 U6 U7: "Integrated Circuit", Manufacturer_Name=onsemi, Mouser Part Number=512-FAN3111ESX, Arrow Part Number=FAN3111ESX, Arrow Price/Stock=https://www.arrow.com/en/products/fan3111esx/on-semiconductor?region=nac, Height=1.45mm, Manufacturer_Part_Number=FAN3111ESX, Mouser Price/Stock=https://www.mouser.co.uk/ProductDetail/ON-Semiconductor-Fairchild/FAN3111ESX?qs=Vb5qD4CGh4ntEwD2s4Rstg%3D%3D
U8 U10: "Transimpedance Amplifier"
U9 U11: library part CMP-04896-000102-1, "IC COMPARATOR RRI SGL SC70-5", Case/Package=SC, Input Bias Current=5nA, Input Offset Voltage (Vos)=5mV, Manufacturer 1="Texas Instruments", Max Operating Temperature=125°C, Max Supply Current=40uA, Max Supply Voltage=5.5V, Min Operating Temperature=-40°C, Min Supply Voltage=2.7V, Nominal Supply Current=50uA, Package Quantity=250, Power Supply Rejection Ratio (PSRR)=85dB, Category=Comparators, Common Mode Rejection Ratio=70dB, ComponentLink1Description=https://datasheet.ciiva.com/1576/tlv3201-1576832.pdf?src-supplier=Newark, ComponentLink1URL=https://datasheet.ciiva.com/1576/tlv3201-1576832.pdf?src-supplier=Newark, ComponentLink2Description=https://datasheet.ciiva.com/1483/1580432-1483913.pdf?src-supplier=Element14, ComponentLink2URL=https://datasheet.ciiva.com/1483/1580432-1483913.pdf?src-supplier=Element14, ComponentLink3Description=https://datasheet.ciiva.com/15131/getdatasheetpartid-487415-15131507.pdf?src-supplier=Verical, ComponentLink3URL=https://datasheet.ciiva.com/15131/getdatasheetpartid-487415-15131507.pdf?src-supplier=Verical, ComponentLink4Description=https://datasheet.ciiva.com/14391/tlv3202-14391664.pdf?src-supplier=Avnet, ComponentLink4URL=https://datasheet.ciiva.com/14391/tlv3202-14391664.pdf?src-supplier=Avnet, ComponentLink5Description=https://datasheet.ciiva.com/25630/0900766b8119b05e-25630796.pdf?src-supplier=Rs, ComponentLink5URL=https://datasheet.ciiva.com/25630/0900766b8119b05e-25630796.pdf?src-supplier=Rs, ComponentLink6Description=https://datasheet.ciiva.com/46396/1882110-46396747.pdf?src-supplier=Element14, ComponentLink6URL=https://datasheet.ciiva.com/46396/1882110-46396747.pdf?src-supplier=Element14, ComponentLink7Description=https://datasheet.ciiva.com/6624/tlv3201-6624711.pdf?src-supplier=Digi-Key, ComponentLink7URL=https://datasheet.ciiva.com/6624/tlv3201-6624711.pdf?src-supplier=Digi-Key, ComponentLink8Description=https://datasheet.ciiva.com/14391/tlv3202-14391727.pdf?src-supplier=Avnet, ComponentLink8URL=https://datasheet.ciiva.com/14391/tlv3202-14391727.pdf?src-supplier=Avnet, Contact Plating=Gold, Height=1mm, Hysteresis=1.2mV, Lead Free="Lead Free", Length=2.15mm, Manufacturer Part Number 1=TLV3201AIDCKT, Max Input Current=5nA, Mount="Surface Mount", Number Of Channels=1, Number of Elements=1, Number of Pins=5, Output Type=PUSH-PULL, Packaging="Tape and Reel", Pricing 1="1=1.61000, 10=1.44500, 25=1.36280, 100=1.16110 (USD)", Propagation Delay=50ns, Quiescent Current=40uA, Radiation Hardening=No, REACH SVHC="No SVHC", Reach SVHC Compliant=Yes, Response Time=40ns, RoHS=Yes, RoHS Compliant=Yes, Series=-, Stock 1=3936, Supplier 1=Digi-Key, Supply Current=50uA, Type="General Purpose", Width=1.4mm
U12: "Integrated Circuit", Manufacturer_Name="Analog Devices", Mouser Part Number=700-MAX889RESA, Arrow Part Number=MAX889RESA+, Arrow Price/Stock=https://www.arrow.com/en/products/max889resa/maxim-integrated?region=nac, Datasheet Link=https://datasheets.maximintegrated.com/en/ds/MAX889.pdf, Height=1.75mm, Manufacturer_Part_Number=MAX889RESA+, Mouser Price/Stock=https://www.mouser.co.uk/ProductDetail/Maxim-Integrated/MAX889RESA%2b?qs=1THa7WoU59EDLTtr2MoypA%3D%3D
U13: library part CMP-0065-00105-3, "Switched Capacitor Voltage Doubling Inverter, 8-pin Mini SOIC, Pb-Free", Case/Package=VSSOP, Manufacturer="Texas Instruments", Manufacturer 1="TI National Semiconductor", Max Input Voltage=5.5V, Max Operating Temperature=85°C, Max Output Current=10mA, Max Output Voltage=-11.6V, Min Input Voltage=2V, Min Operating Temperature=-40°C, Operating Supply Current=150uA, Output Voltage=11V, Package Quantity=1000, PackageTopMarking=ZXTT*S11A, PowerWise=N, Switching Frequency=6kHz, Category="Voltage Regulators - Switching", Code_JEDEC=MO-187-AA, ComponentLink1Description="Datasheet URL", ComponentLink1URL=http://www.ti.com/general/docs/lit/getliterature.tsp?genericPartNumber=LM2682&fileType=pdf, ComponentLink2Description=https://datasheet.ciiva.com/15114/getdatasheetpartid-647773-15114028.pdf?src-supplier=Verical, ComponentLink2URL=https://datasheet.ciiva.com/15114/getdatasheetpartid-647773-15114028.pdf?src-supplier=Verical, ComponentLink3Description=https://datasheet.ciiva.com/6603/lm2682-6603782.pdf?src-supplier=Digi-Key, ComponentLink3URL=https://datasheet.ciiva.com/6603/lm2682-6603782.pdf?src-supplier=Digi-Key, ComponentLink4Description=https://datasheet.ciiva.com/6603/lm2682-6603785.pdf?src-supplier=Digi-Key, ComponentLink4URL=https://datasheet.ciiva.com/6603/lm2682-6603785.pdf?src-supplier=Digi-Key, CompType="Switch Caps", Height=0.95mm, Lead Free="Lead Free", Length=3.1mm, Logic Function=Inverting, Manufacturer Part Number 1=LM2682MM/NOPB, Max Supply Voltage=5.5V, Min Supply Voltage=2V, Mount="Surface Mount", Number of Outputs=1, Number of Pins=8, Output Configuration=Negative, Output Current=10mA, Output Type=Fixed, PackageDescription="MINI SOIC, .118 x .118 x .034in, 8 Lead, .0256in Pitch", PackageReference=DGK0008A, Packaging="Tape and Reel", PinCount=8, Pricing 1="1=2.49920, 10=2.18960, 25=2.09390, 100=1.80880, 250=1.70340, 500=1.55030 (USD)", Radiation Hardening=No, RoHS=Y, RoHS Compliant=Yes, Series=LM2682, Stock 1=975, Supplier 1="Arrow Electronics", Synchronous Rectifier=No, Topology="Charge Pump", Weight=0.004938oz, Width=3.1mm
U14: "Integrated Circuit", Arrow Part Number=MCP1501-30E/SN, Manufacturer_Name=Microchip, Mouser Part Number=579-MCP1501-30E/SN, Arrow Price/Stock=https://www.arrow.com/en/products/mcp1501-30esn/microchip-technology?region=nac, Datasheet Link=http://ww1.microchip.com/downloads/en/DeviceDoc/20005474E.pdf, Height=1.75mm, Manufacturer_Part_Number=MCP1501-30E/SN, Mouser Price/Stock=https://www.mouser.co.uk/ProductDetail/Microchip-Technology-Atmel/MCP1501-30E-SN?qs=BA62vJVifGo5%252B6Z65Dge2g%3D%3D
U15: "Integrated Circuit", Manufacturer_Name=onsemi, Mouser Part Number=863-NCP718BSN330T1G, Arrow Part Number=NCP718BSN330T1G, Arrow Price/Stock=https://www.arrow.com/en/products/ncp718bsn330t1g/on-semiconductor, Datasheet Link=http://www.onsemi.com/pub/Collateral/NCP718-D.PDF, Height=1mm, Manufacturer_Part_Number=NCP718BSN330T1G, Mouser Price/Stock=https://www.mouser.co.uk/ProductDetail/onsemi/NCP718BSN330T1G?qs=MLItCLRbWsy3SIiB9fjYCg%3D%3D
Y1: "Crystal or Oscillator", Manufacturer_Name="Wurth Elektronik", Datasheet Link=https://www.we-online.com/catalog/datasheet/830059522.pdf, Height=1mm, Manufacturer_Part_Number=830059522

## Via types
v1: diameter 20, hole 10, Top Layer to Bottom Layer, 218 vias
v2: diameter 30, hole 15, Top Layer to Bottom Layer, 1 vias

## Nets (pads, with @x,y where several pads share a name; then routed paths per layer and width w, separated by ;. In a path a pad name is that pad's centre, name@x,y a point inside that pad or via, vN(x,y) a via of type N, cw(c..) or ccw(c..) an arc to the next point about the centre after c; other vN are vias at no path point)
3V: C58.2 R28.2 R33.2 U14.7 U14.8 | length 2713.5
  Top Layer w8: R28.2@910.12,280 1285,280 1310,255 1965,255 2125,415 2125,515 2105,535 C58.2@2070,535 ; R33.2@1095.12,680 v1(1155.12,680) ; U14.8@1986.77,580 U14.7@1986.77,530 2061.54,530 2066.54,535 C58.2@2070,538.46 v1(2070,640)
  Bottom Layer w8: v1(1155.12,680) 1230.12,605 1590,605 1625,640 v1(2070,640)
3V3: C4.2 C6.1 C10.2 C21.1 C22.1 C23.1 C24.1 C25.1 C28.1 C43.2 C44.2 C45.2 C46.2 C47.2 C48.2 C49.2 C50.2 C57.2 D1.2 FB2.1 FB3.1 J7.1 R10.2 R11.1 R12.1 R13.1 R16.1 R17.1 R26.2 R31.2 U2.5 U2.13 U2.14 U2.28 U2.40 U3.6 U4.4 U5.4 U6.4 U7.4 U8.2 U9.5 U10.2 U11.5 U14.1 U14.3 U15.5 | length 4831.4
  Top Layer w8: v1(418.47,2655) C28.1@418.46,2595 FB3.1@485,2595 ; v1(445,480) C44.2@505,480 C45.2@590,480 C46.2@675,480 675,482.95 692.65,500.61 695.61,500.61 711,516 U8.2@740.87,516 ; v1(520,2298.46) C24.1@580,2298.46 580,2337.56 637.68,2395.24 637.68,2405.14 639.59,2407.05 U2.28@649.49,2407.05 ; v1(632.56,941.54) C50.2@862.56,941.54 862.56,938.58 881.14,920 U10.2@918.43,920 ; v1(655,2888.46) 655,2801.54 635.61,2782.14 632.65,2782.14 615,2764.49 C23.1@615,2761.54 ; U2.14@677.05,2690.51 639.49,2690.51 615,2715 C23.1@615,2761.54 ; U2.13@696.73,2690.51 696.73,2759.8 C22.1@695,2761.54 C23.1@615,2761.54 ; v1(700.79,1642.4) U6.4@760.79,1642.4 ; v1(705.79,1882.4) U7.4@765.79,1882.4 ; v1(785,2955) 797.56,2967.56 R10.2@797.56,3010 ; v1(810.79,1392.4) U5.4@870.79,1392.4 ; U2.5@854.21,2690.51 854.21,2729.21 861.9,2736.9 861.9,2824.64 C21.1@855,2831.54 v1(915,2831.54) ; U2.40@893.58,2379.49 893.58,2286.42 905,2275 C25.1@941.54,2275 v1(941.54,2215) ; R12.1@945,2937.44 945.5,2937.44 961.18,2921.76 961.18,2911.32 v1(987.5,2885) 1013.82,2911.32 1013.82,2921.76 1029.5,2937.44 R13.1@1030,2937.44 ; U9.5@960.59,424.68 985.32,424.68 1010,400 1010,356.54 C43.2@1008.46,355 v1(1008.46,299) ; v1(970,1259.8) U4.4@1030,1259.8 ; R26.2@1000.12,595 v1(1060.12,595) ; U3.6@1067.4,3077.76 1067.4,3032.6 1135,2965 v1@1154.62,2965 ; R11.1@1122.75,3259.81 1122.94,3260 v1(1215,3260) ; U11.5@1138.15,824.68 1157.88,824.68 1186.02,796.54 C47.2@1186.02,755 v1(1186.02,695) ; v1(1155,2965) v1@1154.62,2965 ; C10.2@1155,3046.54 1154.62,3046.15 v1@1154.62,2965 ; R31.2@1177.56,995 v1(1237.56,995) ; v1(1190,895) 1207.35,877.65 1229.31,877.65 1245,861.97 R16.1@1245,860 ; v1(1190,2338.47) C6.1@1250,2338.46 FB2.1@1250,2405.35 ; D1.2@1525,2736.61 v1(1525,2796.61) ; v1(1605,460) 1605,513.46 C57.2@1621.54,530 1621.54,566.54 1635,580 U14.1@1773.23,580 ; C57.2@1622.35,530 1640,512.35 1640,480 1670,450 1705,450 1735,480 U14.3@1773.23,480 ; U15.5@1868.46,1389.23 1875.29,1382.4 U15.5@1881.18,1382.4 ; v1(1987.44,860) R17.1@2047.44,860 ; J7.1@2035,1400 2035,1402.43 J7.1@2066.04,1433.46
  Top Layer w15: U15.5@1868.46,1389.23 C4.2@1868.46,1455 v1(1931,1455) 2025,1455 J7.1@2030,1450
  Bottom Layer w8: v1(520,2298.46) 603.46,2215 v1(941.54,2215) ; v1(915,2831.54) 934.04,2831.54 v1(987.5,2885) 1067.5,2965 v1(1155,2965)
5V: C2.2 C34.2 C35.2 C36.2 C37.2 C39.2 C40.2 C41.2 C42.2 C51.2 J3.1 Q1.3 R36.2 U1.2 U4.1 U5.1 U6.1 U7.1 U12.1 U12.6 U13.6 | length 1992.2
  Top Layer w8: v1(212.79,388.66) U13.6@212.8,448.66 ; U12.1@451.46,775 510,775 536.54,801.54 C51.2@536.54,850 v1(476.54,850) ; v1(605,675) U12.6@665,675 ; R36.2@745,860 v1(845,860) ; U6.1@859.21,1567.6 859.21,1540.79 873.46,1526.54 C40.2@935,1526.54 C39.2@1020,1526.54 v1(1080,1526.54) ; U7.1@864.21,1807.6 864.21,1785.79 883.46,1766.54 C42.2@940,1766.54 C41.2@1025,1766.54 v1(1085,1766.54) ; U5.1@969.21,1317.6 1047.6,1317.6 1060,1330 C37.2@1060,1368.07 C36.2@1145,1368.07 v1(1145,1308.07) ; U4.1@1128.43,1185 1129.12,1184.3 1129.12,1165.88 1153.46,1141.54 C35.2@1205,1141.54 C34.2@1290,1141.54 v1(1290,1081.54) ; C2.2@1650,1781.54 1826.54,1781.54 v1(1860,1815)
  Top Layer w15: J3.1@1860,1595 v1(1860,1815) ; Q1.3@1919.21,915 1919.21,1004.21 v1(1920,1005)
  other v1: 1780,1735 1820,1735 1860,1735 1900,1735 1940,1735 1780,1775 1820,1775 1860,1775 1900,1775 1940,1775 1780,1815 1820,1815 1900,1815 1940,1815 1780,1855 1820,1855 1860,1855 1900,1855 1940,1855 1780,1895 1820,1895 1860,1895 1900,1895 1940,1895
5V_FPGA: J6.1 Q1.2 R4.2 R14.1 R15.1 | length 2776.8
  Top Layer w8: R14.1@1247.44,1760 1215,1760 1195,1740 1195,1685 1230,1650 1310,1650 1320,1640 1320,1465 1370,1415 1530,1415 1532.34,1412.66 1555,1390 1555,985 1657.56,882.44 R4.2@1745,882.44 1749.84,877.6 R4.2@1750,877.44 ; J6.1@1715,755 J6.1@1722.56,762.56
  Top Layer w15: R4.2@1749.84,877.6 Q1.2@1820.79,877.6 1952.6,877.6 2110,1035 2110,1545 2040,1615 2040,1795 2062.56,1817.56 R15.1@2100,1817.56 ; J6.1@1750,740 R4.2@1750,877.44